# Allegro board hdk2_0-hmd-2-pvt-l8-0526p1530.brd (continued)
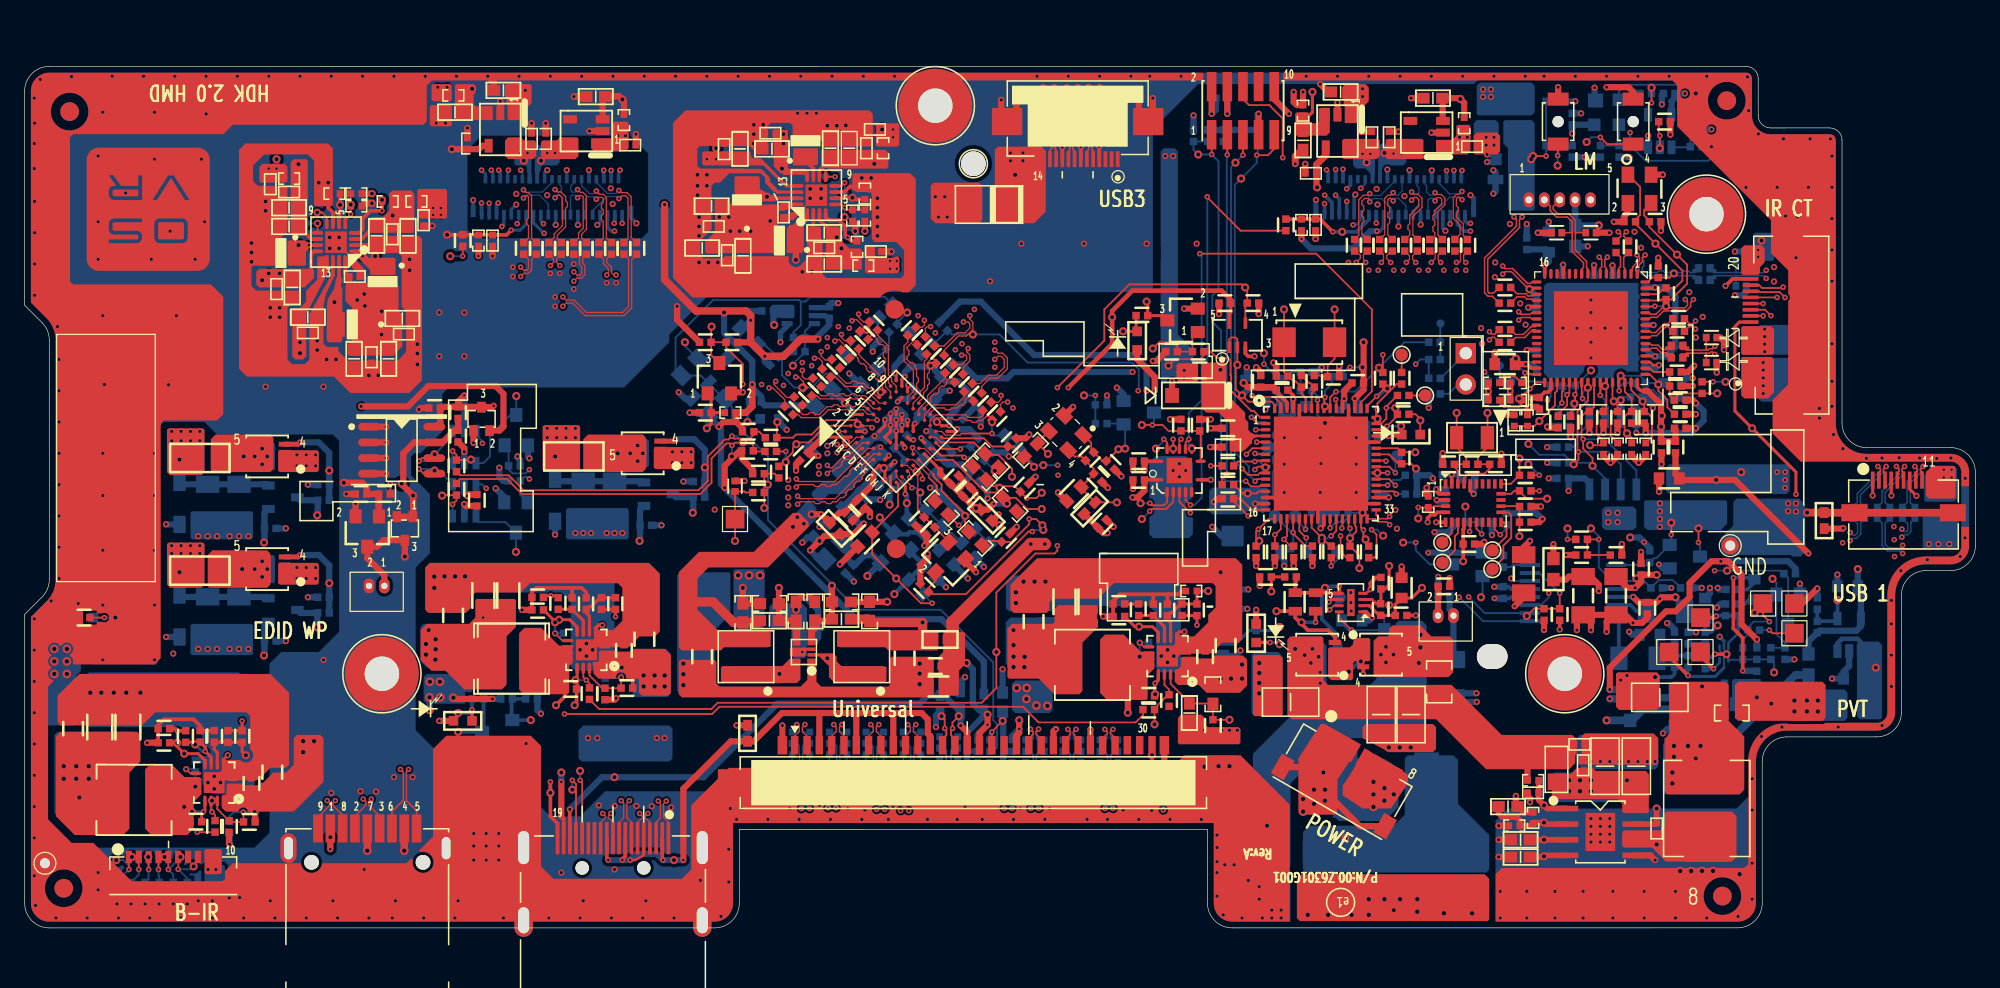
[diagram p0: board, top side]
## Placement (name value [footprint] x y rotation side) (continued)
FID8  FID  [FIDUSHEL#2]  116.46 73.32 0 top
FID9  FID  [FIDUSHEL]  138.15 67.15 0 top
FID10  FID  [FIDUSHEL#2]  101.22 73.32 0 top
FID11  FID  [FIDUSHEL]  3.65 66.26 180 bottom
FID12  FID  [FIDUSHEL]  3.17 3.22 180 bottom
FID13  FID  [FIDUSHEL#2]  111.38 73.32 0 top
FID14  FID  [FIDUSHEL]  70.61 50.21 0 top
FID15  FID  [FIDUSHEL]  70.74 30.78 0 top
FID16  FID  [FIDUSHEL#2]  96.14 73.32 0 top
FS1  MF-LSMF300/24X, I_Hold=3A  [POLYTRONICS_SMD2920HF]  110.49 11.6 0 bottom
FS2  NC/AMN_PTC  [PTC_NANO_SMDC]  121.03 65.96 270 bottom
FS3  NC/AMN_PTC  [PTC_NANO_SMDC]  137.16 34.97 90 bottom
J1  IPEX_30PIN  [I-PEX_20389-030E]  77 11.73 0 top
J4  NC/Singatron_2UB2311-000111F  [SINGATRON_2UB2311-000111F]  27.81 -2.88 0 top
J6  CON10A  [M50-3600542]  98.88 66.34 0 top
J10  530470510  [53047-0510]  124.58 59.1 180 top
J15  NC/TSW-102-23-L-S  [TSW-102-23-L-S]  116.96 46.65 270 top
J18  NC/WM1731-ND  [053047-0210]  115.34 25.7 360 top
J20  FH35C-39S-0.3SHW  [HRS_FH35C-39S-0_3SHW]  42.8 57.5 180 bottom
J22  ACES_14PIN_FPC  [ACES_50502-14]  85.47 62.4 180 top
J28  NC/TE_C-1747981  [TE_C-1747981]  47.75 4.87 0 top
J66  518  [JST_11002W90-08-S-XX-HF]  108.2 14.01 330 top
J68  ACES_20PIN_FPC  [ACES_50502-20]  140.08 48.93 90 top
J69  ACES_10PIN_FPC  [ACES_88460-10]  12.06 5.76 0 top
J71  FH35C-39S-0.3SHW  [HRS_FH35C-39S-0_3SHW]  111.2 57.5 180 bottom
J101  FPC-11P-0.5MM  [CHYAO_JS-1191PSDR-11]  152.49 36.35 0 top
J102  NC/WM1731-ND  [053047-0210]  28.57 28.11 0 top
L1  NC/DLW5BTN101SQ2L  [IND_DLW5BT]  103.12 4.62 90 bottom
L4  NC/3.3uH,40mOhm,5.5A  [IND_XAL5030-332ME]  8.88 10.39 179.8 top
L5  5.6uH,103mOhm,3A  [IND_IHLP2020CZ]  8.88 10.39 179.8 top
L8  NC/4.7uH,77mOhm,3.5A  [IND_XAL5030-332ME]  39.52 21.86 180 top
L9  5.6uH,103mOhm,3A  [IND_IHLP2020CZ]  39.52 21.86 180 top
L12  NC/4.7uH,77mOhm,3.5A  [IND_XAL5030-332ME]  86.69 21.35 180 top
L13  4.7uH,77mOhm,3.5A  [IND_IHLP2020CZ]  86.66 21.35 180 top
L21  DLP11SA900HL2L  [IND_DLP11S]  134.11 46.78 180 top
L22  DLP11SA900HL2L  [IND_DLP11S]  136.32 53.07 0 bottom
L23  HCB2012K_800T80_0805  [L0805]  124.33 12.87 90 top
L25  3.3UH_SMPI0603HW  [SMPI0603HW]  136.52 9.7 90 top
L30  4.7UH_1239AS-H-4R7M  [DFE252012C]  29.05 52.47 270 top
L31  10UH_1239AS-H-100M  [DFE252012C]  26.59 48.99 180 top
L32  4.7UH_1239AS-H-4R7M  [DFE252012C]  20.8 54.78 180 top
L33  4.7UH_1239AS-H-4R7M  [DFE252012C]  61.26 55.8 180 top
L34  10UH_1239AS-H-100M  [DFE252012C]  58.62 59.1 90 top
L35  4.7UH_1239AS-H-4R7M  [DFE252012C]  63.37 63.9 90 top
L36  1.2uH/3.3A/LVS404026  [CHILISIN_LVS404026]  67.94 22.01 180 top
L37  1.2uH/3.3A/LVS404026  [CHILISIN_LVS404026]  58.54 22.01 180 top
LD4  LED, GRN  [LED_SML-LX0603GW]  4.82 25.19 0 bottom
LD5  LED, GRN  [LED_SML-LX0603GW]  35.56 16.81 0 top
LD8  LED, GRN  [LED_SML-LX0603GW]  99.95 23.92 270 top
LD11  LED, GRN  [LED_SML-LX0603GW]  112.52 40.05 0 top
LD13  LED, GRN  [LED_SML-LX0603GW]  133.73 44.24 0 bottom
LD16  LED, GRN  [LED_SML-LX0603GW]  60.45 41.32 0 bottom
LD17  LED, GRN  [LED_SML-LX0603GW]  90.29 47.67 90 top
M1  -  [HOLEC236D110]  136.5 57.94 0 top
M2  -  [HOLEC236D110]  29 20.63 0 top
M3  -  [HOLEC236D110]  73.91 66.74 0 top
M4  -  [HOLEC236D110]  125 20.63 0 top
M5  HOLEC59D59N  [HOLEC79D79N]  77 62.03 0 top
M6  HOLEC59D59N  [HOLEO98X79N]  119.11 22.03 0 top
NOREF  -  []  85.57 79.37 0 top
NOREF#2  -  []  70.6 69.18 0 top
NOREF#3  -  []  82.72 76.34 0 top
NOREF#4  -  []  86.37 62.5 90 top
NOREF#5  -  []  126.6 72.89 90 top
NOREF#6  -  []  83.67 78.34 0 top
NOREF#7  -  []  73.69 59.89 90 top
NOREF#8  -  []  10.03 58.34 180 top
NOREF#9  -  []  163.43 40.19 90 top
NOREF#10  -  []  74.67 60.47 90 top
NOREF#11  -  []  73.69 59.89 0 top
NOREF#12  -  []  82.87 79.04 0 top
NOREF#13  -  []  72.08 64.97 90 top
NOREF#14  -  []  158.43 44.89 90 top
NOREF#15  -  []  159.43 39.99 90 top
NOREF#16  -  []  89.76 75.02 90 top
NOREF#17  -  []  74.67 60.47 0 top
NOREF#18  -  []  159.43 39.99 90 top
NOREF#19  -  []  72.08 67.23 0 top
NOREF#20  -  []  159.43 39.99 90 top
NOREF#21  -  []  159.43 39.99 90 top
NOREF#22  -  []  74.67 61.99 90 top
NOREF#23  -  []  125.1 74.04 0 top
NOREF#24  -  []  91.77 75.34 90 top
NOREF#25  -  []  87.32 77.19 90 top
NOREF#26  -  []  91.92 76.34 90 top
NOREF#27  -  []  73.69 59.89 90 top
NOREF#28  -  []  157.68 40.74 0 top
Q7  MMBT2222LT1G  [SOT23]  95.96 23.03 270 bottom
Q10  NC/2N7002-7-F  [SOT23_132]  143.13 25.82 0 bottom
Q11  MMBT2222LT1G  [SOT23]  38.35 15.92 270 bottom
Q15  NC/MMBT2222LT1G  [SOT23]  137.92 16.93 0 bottom
Q19  SIS434DN-T1-GE3  [PWR-PAK_1212_EINF4399]  110.08 22.18 0 top
Q20  SIS434DN-T1-GE3  [PWR-PAK_1212_EINF4399]  104.9 22.18 180 top
Q21  2N7002-7-F  [SOT23_132]  57.91 47.16 315 bottom
Q23  2N7002-7-F  [SOT23_132]  90.42 41.83 90 bottom
Q25  NC/2N7002-7-F  [SOT23_132]  117.09 29.51 270 bottom
Q26  NC/2N7002-7-F  [SOT23_132]  134.74 30.14 90 bottom
Q28  NC/MMBT2222LT1G  [SOT23]  70.33 30.5 315 bottom
Q29  2N7002DW/SOT363  [SOT363-6]  62.99 49.7 90 bottom
Q30  NC/2N7002-7-F  [SOT23_132]  39.9 40.4 180 bottom
Q31  NC/2N7002-7-F  [SOT23_132]  39.87 33.32 0 bottom
Q32  MMBT2222LT1G  [SOT23]  93.98 49.32 90 top
Q33  QM2401K/PMOS/SOT23  [SOT23-MOS]  51.43 35.22 90 bottom
Q34  SIS434DN-T1-GE3  [PWR-PAK_1212_EINF4399]  50.16 38.52 180 top
Q35  QM2401K/PMOS/SOT23  [SOT23-MOS]  20.95 25.82 90 bottom
Q36  SIS434DN-T1-GE3  [PWR-PAK_1212_EINF4399]  19.68 29.13 180 top
Q37  QM2401K/PMOS/SOT23  [SOT23-MOS]  20.95 34.97 90 bottom
Q38  SIS434DN-T1-GE3  [PWR-PAK_1212_EINF4399]  19.68 38.27 180 top
Q40  NC/MMBT2222LT1G  [SOT23]  27.81 32.17 180 top
Q41  2N7002-7-F  [SOT23_132]  74.8 29.76 135 top
Q42  NC/MMBT2222LT1G  [SOT23]  56.38 44.62 0 top
Q43  NC/MMBT2222LT1G  [SOT23]  67.69 45.64 225 bottom
R19  10K_1%  [RC0402_IPC7351]  18.23 8.61 0 top
R25  NC/0/0402  [RC0402_IPC7351]  15.45 8.24 270 top
R28  45.3K  [RC0402_IPC7351]  17.65 15.54 269.8 top
R30  10K_1%  [RC0402_IPC7351]  15.38 15.55 270 top
R37  20.5 K  [RC0402_IPC7351]  13.08 15.54 89.8 top
R41  78.7K  [RC0402_IPC7351]  11.3 15.03 180 top
R52  330R  [RC0402_IPC7351]  104.67 44.37 270 top
R55  1K  [RC0402_IPC7351]  36.78 18.59 0 bottom
R62  0/0402  [RC0402_IPC7351]  110.23 44.62 90 top
R63  49.9R  [RC0402_IPC7351]  102.05 43.66 0 top
R64  1M  [RC0402_IPC7351]  103.63 44.37 270 top
R65  0/0402  [RC0402_IPC7351]  35.56 55.8 270 top
R66  0/0402  [RC0402_IPC7351]  111.76 44.62 90 top
R67  0/0402  [RC0402_IPC7351]  111.88 43.22 0 top
R72  10K_1%  [RC0402_IPC7351]  133.09 65.45 180 top
R75  0/0402  [RC0402_IPC7351]  97.66 37.51 0 top
R76  NC/0R  [RC0402_IPC7351]  108.2 44.24 180 top
R79  NC/4.7K  [RC0402_IPC7351]  132.46 27.6 180 bottom
R83  0/0402  [RC0402_IPC7351]  106.55 44.75 180 bottom
R84  78.7K  [RC0402_IPC7351]  41.64 25.82 180 top
R85  NC/0R  [RC0402_IPC7351]  126.36 31.54 180 top
R86  0/0402  [RC0402_IPC7351]  97.66 35.98 180 top
R87  NC/4.7K  [RC0402_IPC7351]  134.87 27.6 0 bottom
R91  13K  [RC0402_IPC7351]  43.3 26.33 90 top
R92  NC/4.7K  [RC0402_IPC7351]  124.58 25.44 270 top
R94  4.7K/1%/0402  [RC0402_IPC7351]  97.66 34.84 0 top
R95  4.7K/1%/0402  [RC0402_IPC7351]  112.52 35.22 180 bottom
R96  4.7K/1%/0402  [RC0402_IPC7351]  112.52 36.75 180 bottom
R103  NC/4.7K  [RC0402_IPC7351]  123.31 25.44 90 top
R106  10K_1%  [RC0402_IPC7351]  45.58 26.32 270 top
R107  0/0402  [RC0402_IPC7351]  45.84 19.02 270 top
R112  0/0402  [RC0402_IPC7351]  107.57 30.52 270 top
R113  0/0402  [RC0402_IPC7351]  109.09 30.52 270 top
R115  33/1%/0402  [RC0402_IPC7351]  106.04 30.52 270 top
R122  20K/1%/0402  [RC0402_IPC7351]  47.95 26.33 90 top
R127  10K_1%  [RC0402_IPC7351]  48.88 19.47 0 top
R186  78.7K  [RC0402_IPC7351]  88.81 25.28 180 top
R193  8.25K  [RC0402_IPC7351]  90.42 25.82 90 top
R196  NC/100K  [RC0402_IPC7351]  16.63 8.17 90.3 bottom
R197  NC/100K  [RC0402_IPC7351]  47.11 20.74 270 bottom
R199  10K_1%  [RC0402_IPC7351]  92.74 25.82 270 top
R202  NC/0/0402  [RC0402_IPC7351]  91.23 17.72 180 top
R206  NC/0R  [RC0402_IPC7351]  92.88 18.46 270 top
R207  10K_1%  [RC0402_IPC7351]  95.14 25.82 270 top
R210  NC/100K  [RC0402_IPC7351]  96.44 16.43 90 top
R219  49.9K  [RC0402_IPC7351]  95.37 45.26 0 top
R220  4.7K/1%/0603  [RC0603]  98.42 6.14 180 bottom
R222  49.9K  [RC0402_IPC7351]  97.66 40.56 180 top
R235  NC/0R  [RC0402_IPC7351]  136.39 21.51 270 bottom
R237  NC/0R  [RC0402_IPC7351]  139.44 22.27 90 bottom
R239  NC/1M  [RC0402_IPC7351]  140.59 22.27 270 bottom
R245  NC/0R  [RC0402_IPC7351]  140.33 24.17 0 bottom
R247  NC/49.9K  [RC0402_IPC7351]  141.73 22.27 90 bottom
R248  NC/220K  [RC0603_IPC7351]  136.39 25.95 90 bottom
R252  1K  [RC0402_IPC7351]  4.82 25.19 180 top
R253  NC/4.7K  [RC0402_IPC7351]  143.25 28.75 180 bottom
R254  20K/1%/0402  [RC0402_IPC7351]  127.89 63.04 270 bottom
R255  NC/100R  [RC0402_IPC7351]  136.39 23.54 270 bottom
R259  NC/0R  [RC0402_IPC7351]  135 21.63 270 bottom
R265  10K_1%  [RC0402_IPC7351]  100.07 64.31 90 bottom
R266  10K_1%  [RC0402_IPC7351]  98.8 64.31 90 bottom
R267  10K_1%  [RC0402_IPC7351]  97.28 64.31 90 bottom
R268  10K_1%  [RC0402_IPC7351]  96.01 64.31 90 bottom
R269  NC/10K  [RC0402_IPC7351]  94.87 64.31 270 bottom
R271  0/0402  [RC0402_IPC7351]  135.66 66.21 180 bottom
R274  NC/220K  [RC0603_IPC7351]  131.9 23.79 180 bottom
R278  NC/100R  [RC0402_IPC7351]  133.91 21.63 90 bottom
R286  100K  [RC0402_IPC7351]  135.66 63.42 180 bottom
R287  NC/10K  [RC0402_IPC7351]  135.66 64.81 180 bottom
R303  100/1%/0402  [RC0402_IPC7351]  104.01 43.6 0 bottom
R309  10K_1%  [RC0402_IPC7351]  104.01 45.13 0 bottom
R313  100K  [RC0402_IPC7351]  125.6 63.04 270 bottom
R316  49.9R  [RC0402_IPC7351]  39.11 18.59 0 bottom
R323  49.9K  [RC0402_IPC7351]  41.14 18.59 0 bottom
R331  NC/1K  [RC0402_IPC7351]  126.36 30.27 0 top
R336  0/0402  [RC0402_IPC7351]  136.14 43.86 270 top
R340  NC/1K  [RC0402_IPC7351]  129.16 30.27 0 top
R341  4.7K/1%/0402  [RC0402_IPC7351]  134.36 42.84 0 top
R350  NC/4.7K  [RC0402_IPC7351]  133.98 45.13 0 top
R351  0/0402  [RC0402_IPC7351]  131.06 50.46 0 bottom
R352  10K/1%/0402  [RC0402_IPC7351]  106.93 33.7 0 bottom
R353  4.7K/1%/0402  [RC0402_IPC7351]  99.95 30.52 90 top
R369  NC/10K_1%  [RC0402_IPC7351]  104.52 30.52 90 top
R440  1K  [RC0402_IPC7351]  99.95 23.67 90 bottom
R450  49.9R  [RC0402_IPC7351]  97.53 27.48 180 bottom
R453  49.9K  [RC0402_IPC7351]  97.53 25.9 0 bottom
R455  220R  [RC0402_IPC7351]  111.88 41.7 180 top
R461  NC/4.7K  [RC0402_IPC7351]  132.33 18.2 270 bottom
R462  NC/0R  [RC0402_IPC7351]  138.43 19.86 0 bottom
R463  NC/2.21K  [RC0402_IPC7351]  140.59 20.36 270 bottom
R464  NC/1K  [RC0402_IPC7351]  139.07 25.82 89.7 bottom
R465  NC/47K  [RC0402_IPC7351]  138.55 27.48 0 bottom
R466  4.7K/1%/0402  [RC0402_IPC7351]  116.46 32.94 0 bottom
R467  4.7K/1%/0402  [RC0402_IPC7351]  120.27 33.19 270 bottom
R468  0/0402  [RC0402_IPC7351]  121.79 35.48 0 top
R469  0/0402  [RC0402_IPC7351]  121.79 36.75 0 top
R470  NC/4.7K  [RC0402_IPC7351]  121.79 32.94 180 top
R471  NC/1M  [RC0402_IPC7351]  117.47 37.64 0 top
R472  4.7K/1%/0402  [RC0402_IPC7351]  121.79 34.21 0 top
R507  4.7R  [RC0603]  104.77 26.46 90 top
R508  4.7R  [RC0603]  103.12 26.46 270 top
R509  100K/1%/0603  [R0603]  111.12 24.3 180 bottom
R510  2.1M  [RC0402_IPC7351]  110.08 27.98 270 top
R511  4.7K/1%/0402  [RC0402_IPC7351]  102.74 28.49 180 top
R512  232K  [RC0402_IPC7351]  110.05 25.85 270 top
R513  68.1K  [RC0402_IPC7351]  111.71 25.37 0 top
R514  100K  [RC0402_IPC7351]  133.98 39.03 90 top
R515  100K  [RC0402_IPC7351]  132.84 39.03 90 top
R516  0/0402  [RC0402_IPC7351]  120.14 47.54 0 top
R517  NC/0R  [RC0402_IPC7351]  134.11 47.29 0 top
R518  0/0402  [RC0402_IPC7351]  120.14 48.56 0 top
R519  NC/0R  [RC0402_IPC7351]  134.11 46.27 0 top
R520  NC/10K  [RC0402_IPC7351]  114.42 43.35 180 bottom
R521  NC/10K  [RC0402_IPC7351]  124.46 41.06 90 top
R522  100K  [RC0402_IPC7351]  125.47 41.06 90 top
R523  12K  [RC0402_IPC7351]  132.58 53.26 270 top
R524  10K_1%  [RC0402_IPC7351]  134.36 41.7 180 top
R525  1M  [RC0402_IPC7351]  133.22 51.48 90 top
R526  10K_1%  [RC0402_IPC7351]  130.81 43.1 0 bottom
R527  10K_1%  [RC0402_IPC7351]  124.84 37.76 180 bottom
R528  10K_1%  [RC0402_IPC7351]  127 41.45 270 top
R529  1K  [RC0402_IPC7351]  131.06 44.24 0 bottom
R531  NC/X_0R  [RC0402_IPC7351]  114.42 44.62 0 bottom
R532  NC/X_0R  [RC0402_IPC7351]  124.33 43.99 0 bottom
R536  100/1%/0402  [RC0402_IPC7351]  123.95 63.49 180 bottom
R539  0/0402  [RC0402_IPC7351]  114.42 46.14 0 bottom
R540  0/0402  [RC0402_IPC7351]  121.15 44.37 180 bottom
R542  10K_1%  [RC0402_IPC7351]  130.43 41.45 270 top
R543  10K_1%  [RC0402_IPC7351]  131.44 41.45 270 top
R544  10K_1%  [RC0402_IPC7351]  129.28 41.45 270 top
R545  10K_1%  [RC0402_IPC7351]  128.14 41.45 270 top
R546  NC/10K  [RC0402_IPC7351]  133.35 42.97 0 bottom
R547  NC/47K  [RC0402_IPC7351]  138.05 25.82 270 bottom
R548  NC/0R  [RC0402_IPC7351]  115.19 27.73 0 top
R552  NC/10K  [RC0402_IPC7351]  134.36 40.56 0 top
R553  NC/X_0R  [RC0402_IPC7351]  114.42 47.54 0 bottom
R554  NC/X_0R  [RC0402_IPC7351]  119.25 44.37 0 bottom
R555  NC/X_10K  [RC0402_IPC7351]  124.84 39.03 180 bottom
R558  10K_1%  [RC0402_IPC7351]  125.85 44.49 90 bottom
R559  NC/0R  [RC0402_IPC7351]  111.76 38.14 90 top
R560  NC/2.1M  [RC0402_IPC7351]  145.49 24.43 90 bottom
R561  NC/1M  [RC0402_IPC7351]  145.49 26.33 90 bottom
R562  NC/0R  [RC0402_IPC7351]  136.32 52.56 180 bottom
R563  NC/0R  [RC0402_IPC7351]  136.32 53.58 180 bottom
R564  10K_1%  [R0402]  122.42 11.98 0 top
R565  124K_1%  [R0402]  122.42 8.93 270 top
R566  21.5K_1%  [R0402]  120.9 8.3 180 top
R567  0/0603  [R0603]  79.37 18.33 270 bottom
R568  10K_1%  [R0402]  113.92 34.59 270 top
R569  NC/X_10K  [R0402]  131.57 38.91 270 top
R570  NC/X_10K  [R0402]  129.28 38.91 270 top
R571  NC/X_10K  [R0402]  128.14 38.91 270 top
R572  NC/X_10K  [R0402]  124.48 41.19 90 bottom
R573  NC/X_10K  [R0402]  120.9 41.19 270 top
R574  NC/X_10K  [R0402]  119.25 42.84 0 top
R575  NC/X_10K  [R0402]  119.25 44.24 0 top
R578  NC/X_10K  [R0402]  121.03 42.84 180 top
R579  NC/X_10K  [R0402]  121.03 44.24 180 top
R580  NC/X_10K  [R0402]  130.43 38.91 270 top
R581  NC/X_0  [R0805]  114.8 19.98 90 top
R582  NC/X_10K  [R0402]  125.4 41.19 270 bottom
R583  NC/X_10K  [R0402]  121.97 41.19 90 top
R600  5.1  [R0402]  62.29 15.44 270 bottom
R601  5.1  [R0402]  63.71 15.44 270 bottom
R602  5.1  [R0402]  65.31 15.44 270 bottom
R603  5.1  [R0402]  66.73 15.44 270 bottom
R604  5.1  [R0402]  68.28 15.44 270 bottom
R605  5.1  [R0402]  69.71 15.44 270 bottom
R606  5.1  [R0402]  71.31 15.44 270 bottom
R607  5.1  [R0402]  72.73 15.44 270 bottom
R608  0/1%/0402  [R0402]  74.27 15.06 270 bottom
R609  0/1%/0402  [R0402]  75.71 15.06 270 bottom
R610  0/1%/0402  [R0402]  77.34 14.8 270 bottom
R611  0/1%/0402  [R0402]  78.3 14.8 270 bottom
R612  0/1%/0402  [R0402]  80.13 14.8 270 bottom
R613  0/1%/0402  [R0402]  81.25 14.8 270 bottom
R614  0/1%/0402  [R0402]  82.74 14.8 270 bottom
R615  0/1%/0402  [R0402]  84.27 14.8 270 bottom
R616  0/1%/0402  [R0402]  85.72 14.8 270 bottom
R617  0/1%/0402  [R0402]  87.28 14.8 270 bottom
R618  0/1%/0402  [R0402]  88.72 14.8 270 bottom
R619  NC/X_0  [R0402]  62.29 14.52 270 bottom
R620  NC/X_0  [R0402]  63.71 14.52 270 bottom
R621  NC/X_0  [R0402]  65.31 14.52 270 bottom
R622  NC/X_0  [R0402]  66.73 14.52 270 bottom
R623  NC/X_0  [R0402]  68.28 14.52 270 bottom
R624  NC/X_0  [R0402]  69.71 14.52 270 bottom
R625  NC/X_0  [R0402]  71.31 14.52 270 bottom
R626  NC/X_0  [R0402]  72.73 14.52 270 bottom
R627  NC/X_0  [R0402]  74.27 14.14 270 bottom
R628  NC/X_0  [R0402]  75.71 14.14 270 bottom
R629  NC/X_0  [R0402]  77.34 13.89 270 bottom
R630  NC/X_0  [R0402]  78.3 13.89 270 bottom
R631  NC/X_0  [R0402]  80.13 13.89 270 bottom
R632  NC/X_0  [R0402]  81.25 13.89 270 bottom
R633  NC/X_0  [R0402]  82.74 13.89 270 bottom
R634  NC/X_0  [R0402]  87.28 13.89 90 bottom
R635  NC/X_0  [R0402]  88.72 13.89 90 bottom
R636  NC/X_0  [R0402]  84.27 13.89 90 bottom
R637  NC/X_0  [R0402]  85.72 13.89 90 bottom
R700  20K/1%/0402  [R0402]  36.83 55.8 90 top
R711  0/1%/0402  [R0402]  31.8 58.97 180 top
R712  0/1%/0402  [R0402]  29.46 58.97 180 top
R713  0/1%/0402  [R0402]  21.46 60.83 0 top
R714  0/1%/0402  [R0402]  25.14 59.61 180 top
R715  0/1%/0402  [R0402]  26.92 59.61 180 top
R716  NC/X_0  [R0402]  26.92 58.59 180 top
R717  20K/1%/0402  [R0402]  48.64 65.58 270 top
R728  150K  [R0402]  94.69 27.35 0 top
R729  0/1%/0603  [R0603]  138.55 17.44 0 top
R730  0/1%/0402  [R0402]  153.41 33.7 90 bottom
R731  0/1%/0402  [R0402]  152.4 33.7 90 bottom
R732  0/1%/0402  [R0402]  151.38 33.7 90 bottom
R733  0/1%/0402  [R0402]  150.36 33.7 90 bottom
R734  0/1%/0402  [R0402]  149.35 33.7 90 bottom
R735  0/1%/0402  [R0402]  148.33 33.7 90 bottom
R736  0/1%/0402  [R0402]  82.7 65.96 270 bottom
R737  0/1%/0402  [R0402]  83.61 65.96 270 bottom
R738  0/1%/0402  [R0402]  84.53 65.96 270 bottom
R739  0/1%/0402  [R0402]  85.44 65.96 270 bottom
R740  0/1%/0402  [R0402]  86.36 65.96 270 bottom
R741  0/1%/0402  [R0402]  87.27 65.96 270 bottom
R742  0/0402  [RC0402_IPC7351]  59.56 35.35 0 top
R743  1K/1%/0805  [R0805]  56.13 42.23 225 bottom
R744  10K_1%  [RC0402_IPC7351]  60.83 46.02 45 bottom
R745  1K/1%/0805  [R0805]  64.77 43.1 45 bottom
R746  0/0805  [R0805]  53.97 45.51 45 bottom
R748  51K  [RC0402_IPC7351]  93.85 40.81 270 top
R749  51K  [RC0402_IPC7351]  87.37 42.46 180 bottom
R750  1M  [RC0402_IPC7351]  95.37 40.81 270 top
R751  100/1%/0402  [RC0402_IPC7351]  87.37 40.94 180 bottom
R758  NC/10K_1%  [RC0402_IPC7351]  120.01 29.76 270 bottom
R759  NC/10K_1%  [RC0402_IPC7351]  131.9 30.14 270 bottom
R760  10K_1%  [RC0402_IPC7351]  101.47 30.52 90 top
R761  10K_1%  [RC0402_IPC7351]  102.99 30.52 90 top
R762  2K/1%/0603  [R0603]  64.26 39.57 45 bottom
R763  47K/1%/0402  [RC0402_IPC7351]  58.67 38.73 0 top
R764  47K/1%/0402  [RC0402_IPC7351]  58.72 40.28 0 top
R765  10K_1%  [RC0402_IPC7351]  59.56 36.87 0 top
R768  0/0402  [RC0402_IPC7351]  60.55 38.68 0 top
R770  10K_1%  [RC0402_IPC7351]  60.3 50.08 0 bottom
R772  0/0402  [RC0402_IPC7351]  60.58 39.79 0 top
R775  0/0402  [RC0402_IPC7351]  61.21 37 90 top
R781  1K  [RC0402_IPC7351]  59.31 42.72 0 bottom
R791  10K_1%  [RC0402_IPC7351]  65.3 49.95 270 bottom
R792  33/1%/0603  [R0603]  77.52 36.92 135 top
R793  33/1%/0603  [R0603]  77.16 31.62 135 top
R794  33/1%/0603  [R0603]  74.42 34.08 135 top
R795  10K_1%  [RC0402_IPC7351]  72.67 32.99 45 top
R796  33/1%/0603  [R0603]  80.13 39.41 135 bottom
R797  33/1%/0603  [R0603]  78.51 37.94 135 top
R798  33/1%/0603  [R0603]  79.98 34.36 135 top
R799  33/1%/0603  [R0603]  73.45 37.38 135 bottom
R800  0/0402  [RC0402_IPC7351]  71.27 40.3 135 bottom
R801  0/1%/0603  [R0603]  73.3 42.33 225 bottom
R802  1K  [RC0402_IPC7351]  70.23 39.29 135 bottom
R803  10K_1%  [RC0402_IPC7351]  78.23 38.27 225 bottom
R804  33/1%/0603  [R0603]  81.66 38.78 45 top
R805  NC/1K/1%/0603  [R0603]  73.5 28.92 315 bottom
R806  4.7K/1%/0402  [RC0402_IPC7351]  86.43 38.27 45 top
R807  NC/1.5K/1%/0603  [R0603]  72.28 32.66 135 bottom
R808  NC/1K/1%/0603  [R0603]  76.58 31.82 225 bottom
R825  20K/1%/0402  [R0402]  103.63 57.07 90 top
R826  20K/1%/0402  [R0402]  116.84 65.32 270 top
R830  0/0402  [RC0402_IPC7351]  102.36 57.07 90 top
R838  0/1%/0402  [R0402]  68.07 53.76 180 top
R839  0/1%/0402  [R0402]  67.56 55.29 90 top
R840  0/1%/0402  [R0402]  69.67 63.29 270 top
R841  0/1%/0402  [R0402]  68.2 59.61 90 top
R842  0/1%/0402  [R0402]  68.2 57.83 90 top
R843  NC/0/1%/0402  [R0402]  67.18 57.83 90 top
R844  24K/1%/0603  [R0603]  68.58 25.7 90 top
R845  267K/0603  [R0603]  66.29 26.46 180 top
R846  120K/1%/0603  [R0603]  64.13 25.7 90 top
R847  12K/1%/0603  [R0603]  58.29 25.57 90 top
R848  1M/1%/0603  [R0603]  63.62 24.55 0 bottom
R849  100K/1%/0603  [R0603]  60.45 26.33 0 top
R850  120K/1%/0603  [R0603]  62.61 25.7 90 top
R851  10K/1%/0603  [R0603]  96.44 18.97 270 top
R1001  0/0402  [RC0402_IPC7351]  131.57 67.73 0 bottom
R1002  NC/4.7K/1%/0402  [RC0402_IPC7351]  88.11 37.56 315 top
R1003  0/1%/0603  [R0603]  60.32 25.06 0 bottom
R1004  0/1%/0402  [R0402]  91.94 12.24 0 bottom
R1085  NC/0/0402  [RC0402_IPC7351]  35.05 37.51 270 top
R1086  NC/10K_1%  [RC0402_IPC7351]  39.75 37.51 180 bottom
R1087  NC/10K_1%  [RC0402_IPC7351]  35.18 41.83 270 top
R1088  NC/0/0402  [RC0402_IPC7351]  35.05 35.6 90 top
R1089  NC/10K_1%  [RC0402_IPC7351]  35.18 39.92 270 top
R1090  NC/10K_1%  [RC0402_IPC7351]  39.75 36.29 0 bottom
R1091  1K  [RC0402_IPC7351]  90.67 49.7 0 top
R1092  49.9R  [RC0402_IPC7351]  95.25 46.78 180 top
R1093  49.9K  [RC0402_IPC7351]  93.09 46.78 180 top
R1094  15/1%/1206  [R1206]  44.57 38.27 180 top
R1095  15/1%/1206  [R1206]  14.22 29 180 top
R1096  1K  [RC0402_IPC7351]  50.42 32.68 180 bottom
R1097  1K  [RC0402_IPC7351]  19.94 23.28 180 bottom
R1098  1K  [RC0402_IPC7351]  54.73 34.97 0 bottom
R1099  1K  [RC0402_IPC7351]  24.25 25.57 0 bottom
R1100  10K_1%  [RC0402_IPC7351]  54.73 36.24 180 bottom
R1101  10K_1%  [RC0402_IPC7351]  24.25 26.84 180 bottom
R1102  15/1%/1206  [R1206]  14.22 38.14 180 top
R1103  1K  [RC0402_IPC7351]  19.94 32.43 180 bottom
R1104  1K  [RC0402_IPC7351]  24.25 34.71 0 bottom
R1105  10K_1%  [RC0402_IPC7351]  24.25 35.98 180 bottom
R1106  0/0402  [RC0402_IPC7351]  62.02 42 135 top
R1107  0/0402  [RC0402_IPC7351]  62.79 42.77 135 top
R1108  0/0402  [RC0402_IPC7351]  63.55 43.53 135 top
R1109  0/0402  [RC0402_IPC7351]  64.31 44.29 135 top
R1110  0/0402  [RC0402_IPC7351]  65.07 45.05 135 top
R1111  0/0402  [RC0402_IPC7351]  65.83 45.81 135 top
R1112  0/0402  [RC0402_IPC7351]  67.36 47.34 135 top
R1113  0/0402  [RC0402_IPC7351]  66.6 46.58 135 top
R1114  0/0402  [RC0402_IPC7351]  68.88 48.86 135 top
R1115  0/0402  [RC0402_IPC7351]  68.12 48.1 135 top
R1116  0/0402  [RC0402_IPC7351]  72.01 48.43 45 top
R1117  0/0402  [RC0402_IPC7351]  72.77 47.67 45 top
R1118  0/0402  [RC0402_IPC7351]  73.53 46.91 45 top
R1119  0/0402  [RC0402_IPC7351]  74.29 46.14 45 top
R1120  0/0402  [RC0402_IPC7351]  75.05 45.38 45 top
R1121  0/0402  [RC0402_IPC7351]  75.82 44.62 45 top
R1122  0/0402  [RC0402_IPC7351]  76.58 43.86 45 top
R1123  0/0402  [RC0402_IPC7351]  77.34 43.1 45 top
R1124  0/0402  [RC0402_IPC7351]  78.1 42.33 45 top
R1125  0/0402  [RC0402_IPC7351]  78.86 41.57 45 top
R1126  0/0402  [RC0402_IPC7351]  49.65 55.16 270 top
R1127  0/0402  [RC0402_IPC7351]  46.61 55.16 90 top
R1128  0/0402  [RC0402_IPC7351]  47.62 55.16 270 top
R1129  0/0402  [RC0402_IPC7351]  48.64 55.16 90 top
R1130  0/0402  [RC0402_IPC7351]  45.59 55.16 270 top
R1131  0/0402  [RC0402_IPC7351]  44.57 55.16 90 top
R1132  0/0402  [RC0402_IPC7351]  42.54 55.16 90 top
R1133  0/0402  [RC0402_IPC7351]  43.56 55.16 270 top
R1134  0/0402  [RC0402_IPC7351]  41.53 55.16 270 top
R1135  0/0402  [RC0402_IPC7351]  40.51 55.16 90 top
R1136  0/0402  [RC0402_IPC7351]  116.07 55.42 270 top
R1137  0/0402  [RC0402_IPC7351]  114.04 55.42 90 top
R1138  0/0402  [RC0402_IPC7351]  117.09 55.42 90 top
R1139  0/0402  [RC0402_IPC7351]  115.06 55.42 270 top
R1140  0/0402  [RC0402_IPC7351]  113.03 55.42 270 top
R1141  0/0402  [RC0402_IPC7351]  112.01 55.42 90 top
R1142  0/0402  [RC0402_IPC7351]  110.99 55.42 90 top
R1143  0/0402  [RC0402_IPC7351]  109.98 55.42 270 top
R1144  0/0402  [RC0402_IPC7351]  107.95 55.42 270 top
R1145  0/0402  [RC0402_IPC7351]  108.96 55.42 90 top
R1146  NC/10K_1%  [RC0402_IPC7351]  99.69 50.72 0 top
R1147  NC/49.9K  [RC0402_IPC7351]  27.3 35.22 180 top
R1148  NC/49.9R  [RC0402_IPC7351]  29.21 35.22 180 top
R1149  0/0402  [RC0402_IPC7351]  62.86 47.92 180 bottom
R1150  NC/0/0402  [RC0402_IPC7351]  62.86 46.78 180 bottom
R1151  10K_1%  [RC0402_IPC7351]  73.53 32.17 45 top
R1152  10K_1%  [RC0402_IPC7351]  73.02 27.6 315 top
R1153  NC/1K  [RC0402_IPC7351]  57.4 47.54 180 top
R1154  NC/20K/1%/0402  [R0402]  57.27 41.83 0 top
R1155  NC/0/0603  [R0603]  69.85 50.08 45 bottom
R1156  NC/4.7K/1%/0402  [RC0402_IPC7351]  74.55 48.81 315 bottom
R1157  NC/47K/1%/0402  [RC0402_IPC7351]  55.24 41.83 180 top
R1158  NC/4.7K/1%/0402  [RC0402_IPC7351]  70.48 48.68 225 bottom
R1159  NC/20K/1%/0402  [R0402]  69.59 47.29 315 bottom
R1160  10K_1%  [RC0402_IPC7351]  102.27 30.78 180 bottom
R1161  20K/1%/0402  [R0402]  34.79 67.58 180 top
R1162  20K/1%/0402  [R0402]  103.76 66.34 90 top
SW1  -  [B3U-1000P-B]  130.55 65.45 90 top
SW2  -  [B3U-1000P-B]  124.46 65.45 90 top
T1  FINGER79X118  [FINGER79X158]  48.89 15.03 90 bottom
T2  FINGER79X118  [FINGER79X158]  93.03 35.22 0 bottom
TP7  TH_TP  [TP52C35DP]  1.65 5.25 0 top
TP8  TH_TP  [TP52C35DP]  138.43 31.03 0 top
TP10  TP_1mm  [TP_SMT_40MIL]  115.06 31.29 0 top
TP11  TP_1mm  [TP_SMT_40MIL]  115.06 29.63 0 top
TP12  TP_1mm  [TP_SMT_40MIL]  119.12 30.65 0 top
TP13  TP_1mm  [TP_SMT_40MIL]  119.12 29.13 0 top
TP17  TP_1mm  [TP_SMT_40MIL]  111.38 38.27 180 bottom
TP18  TP_1mm  [TP_SMT_40MIL]  106.73 26.82 180 bottom
TP27  TESTPAD_C26  [TPC26T]  33.52 59.23 180 top
TP28  TESTPAD_C26  [TPC26T]  69.59 53.76 90 top
TP37  TP_1mm  [TP_SMT_60MIL]  136.01 25.19 0 top
TP38  TP_1mm  [TP_SMT_60MIL]  143.63 26.33 0 top
TP39  TP_1mm  [TP_SMT_60MIL]  133.47 22.4 0 top
TP40  TP_1mm  [TP_SMT_60MIL]  141.09 26.33 0 top
TP41  TP_1mm  [TP_SMT_60MIL]  143.63 23.92 0 top
TP42  TP_1mm  [TP_SMT_60MIL]  136.01 22.4 0 top
TP50  TESTPAD_C26  [TPC26T]  22.86 57.19 0 bottom
TP51  TESTPAD_C26  [TPC26T]  24.63 58.08 0 bottom
TP54  TP_1mm  [TP_SMT_60MIL]  57.65 33.19 0 top
TP55  TP_1mm  [TP_SMT_40MIL]  101.47 33.44 180 bottom
TP56  TP_1mm  [TP_SMT_40MIL]  104.01 30.52 180 bottom
TP57  TP_1mm  [TP_SMT_40MIL]  103.12 33.44 180 bottom
TP58  TP_1mm  [TP_SMT_40MIL]  106.55 30.52 180 bottom
TP59  TP_1mm  [TP_SMT_40MIL]  100.96 39.03 180 bottom
TP60  TESTPAD_C26  [TPC26T]  71.37 37.89 180 bottom
TP101  TP_1mm  [TP_SMT_40MIL]  113.66 43.22 0 top
TP102  TP_1mm  [TP_SMT_40MIL]  111.76 46.53 0 top
TP104  TESTPAD_C26  [TPC26T]  114.91 49.07 180 bottom
TP105  TESTPAD_C26  [TPC26T]  119.73 45.64 180 bottom
TP110  TESTPAD_C26  [TPC26T]  65.02 60.98 270 bottom
TP111  TESTPAD_C26  [TPC26T]  66.54 59.61 270 bottom
U4  TPS54478RTET  [QFN50P300X300_16_PWP_TI_EINF_1]  15.39 11.8 179.8 top
U6  RCLAMP0524P.TCT  [CAPN_RCLAMP0524]  70.48 11.47 180 bottom
U7  MIC8114TUY  [SOT-143]  128.39 66.21 0 bottom
U8  RCLAMP0524P.TCT  [CAPN_RCLAMP0524]  64.51 11.47 180 bottom
U12  ATXMEGA256A3BU-MHR  [QFN-64M2]  105.2 37.69 0 top
U16  TPS54478RTET  [QFN50P300X300_16_PWP_TI_EINF_1]  45.59 22.57 180 top
U29  TPS54478RTET  [QFN50P300X300_16_PWP_TI_EINF_1]  92.76 22.07 180 top
U33  NC/SP1004-04VTG  [SOT953]  137.92 22.27 270 bottom
U34  RClamp0502A  [SC89_6P]  78.36 10.97 0 bottom
U35  NC7SZ08M5X  [SOT23-5]  132.71 64.69 90 bottom
U36  NC/UDA1334BTSDH  [SSOP16]  125.67 27.19 0.1 bottom
U41  BNO070  [LGA-28]  117.57 34.49 0 top
U45  LTC4365IDDB  [8-LEAD_DFN3X2]  107.64 26.41 180 top
U46  USB5534B_QFN64  [USB5534_QFN64]  127.12 48.68 270 top
U47  NC/25x20  [SO8N]  128.9 38.52 270 bottom
U50  NC/TC1071VCT713  [SOT23-5]  148.08 23.79 90 bottom
U51  TPS54327DDA  [R-PDSO-G8]  127.89 7.79 270 top
U52  RT4729A  [QFN16-0_5MM#2]  25.27 55.67 90 top
U53  G9090-180T11U  [SOT23-5]  45.59 64.69 180 top
U54  AP2127  [SOT23-5]  38.6 64.81 270 top
U55  TXS0104ERGYR  [PVQFN-14]  93.72 37.13 0 top
U57  TC358870XBG  [VFBGA80_7X7-0_65]  70.74 40.3 315 top
U60  G9090-180T11U  [SOT23-5]  113.79 64.56 180 top
U61  AP2127  [SOT23-5]  106.55 64.69 270 top
U62  RT4729A  [QFN16-0_5MM]  64.26 59.48 0 top
U63  SY8821SAC  [DFN2X1_5-8]  63.24 22.4 180 top
U64  NC/TS5A3157/SOT236  [SOT23_6]  35.68 39.03 180 bottom
U65  NC/CAT24C02/SOIC8  [SOP8]  30.6 38.78 270 top
U66  NC/TS5A3157/SOT236  [SOT23_6]  35.68 34.71 180 bottom
U111  NC/74AHCT1G32SE/SOT353  [SOT353]  96.64 47.54 0 top
Y1  8Mhz  [ABM3]  104.26 47.54 0 top
Y5  NC/32.768KHZ  [CM315-32_768KDZC]  117.47 39.79 180 top
Y6  25.000MHz  [XTAL_ABM8]  131.06 59.99 270 top
Y7  48MHz_1.8V/3.2*2.5mm  [HOSONIC-3225]  84.53 40.18 135 top

## Library data of the parts
C1 C3 = AMN_CAP_NO_POL
C2 C5 C9 C10 C18 C20 C23 C25 C28 C31-C33 C39 C52 C54 C57 C60 C61 C72 C76 C100 C116 C119 C120 C127 C136 C144 C145 C153 C156 C159 C164 C169 C175 C201 C208 C209 C220 C229 C231 C244 C285 C303 C306 C575 C578-C584 C602-C605 C609-C629 C632 C633 C638 C639 C643 C732 C733 C735-C757 C760-C764 C832 C837 C1000-C1010 C1111 C1112 = CAP_NP
C6 C19 C26 C29 C34 C36 C38 C41 C43 C45 C48 C49 C51 C67 C81 C104 C108 C111 C113 C123 C129 C157 C161 C174 C255 C298 C545 C576 C577 C641 C642 C644 C758 C759 C831 C833-C835 C1011-C1016 = CAP NP
C42 = CAP POL-B_10uF_0
C645 C646 = CAP NP_9
C647-C653 C656-C660 C702-C719 C724 C810 C812-C830 C836 = CAP NP_10
C654 C655 C726 = CAP NP_0
C700 C727 C728 = C_D_KO CAP 150U M 6_0.3V
C701 C729 C731 C807 = C_0402_1U_X5R_6.3V_0: room: 5
C720 C721 C808 C809 = C_39
C722 C723 C805 C811 C838 C1113 C1114 = C_1206_10U_X5R_25V_2
C725 C806 = C_0402_1U_X5R_6.3V_0: room: 19
D1 = DIODE SUPPRESSOR_0
D6 = DIODE ZENER AK
D7 = DIODE_0
D9 = DIODE ZENER
D11 D12 D16 = BAT54C
D13-D15 = SCHOTTKY
ESD5 ESD8 ESD13 ESD14 ESD16-ESD22 = DIODE DIAC
